# Altium PCB T1_Card.PcbDoc (part 2 of 6) (continued)
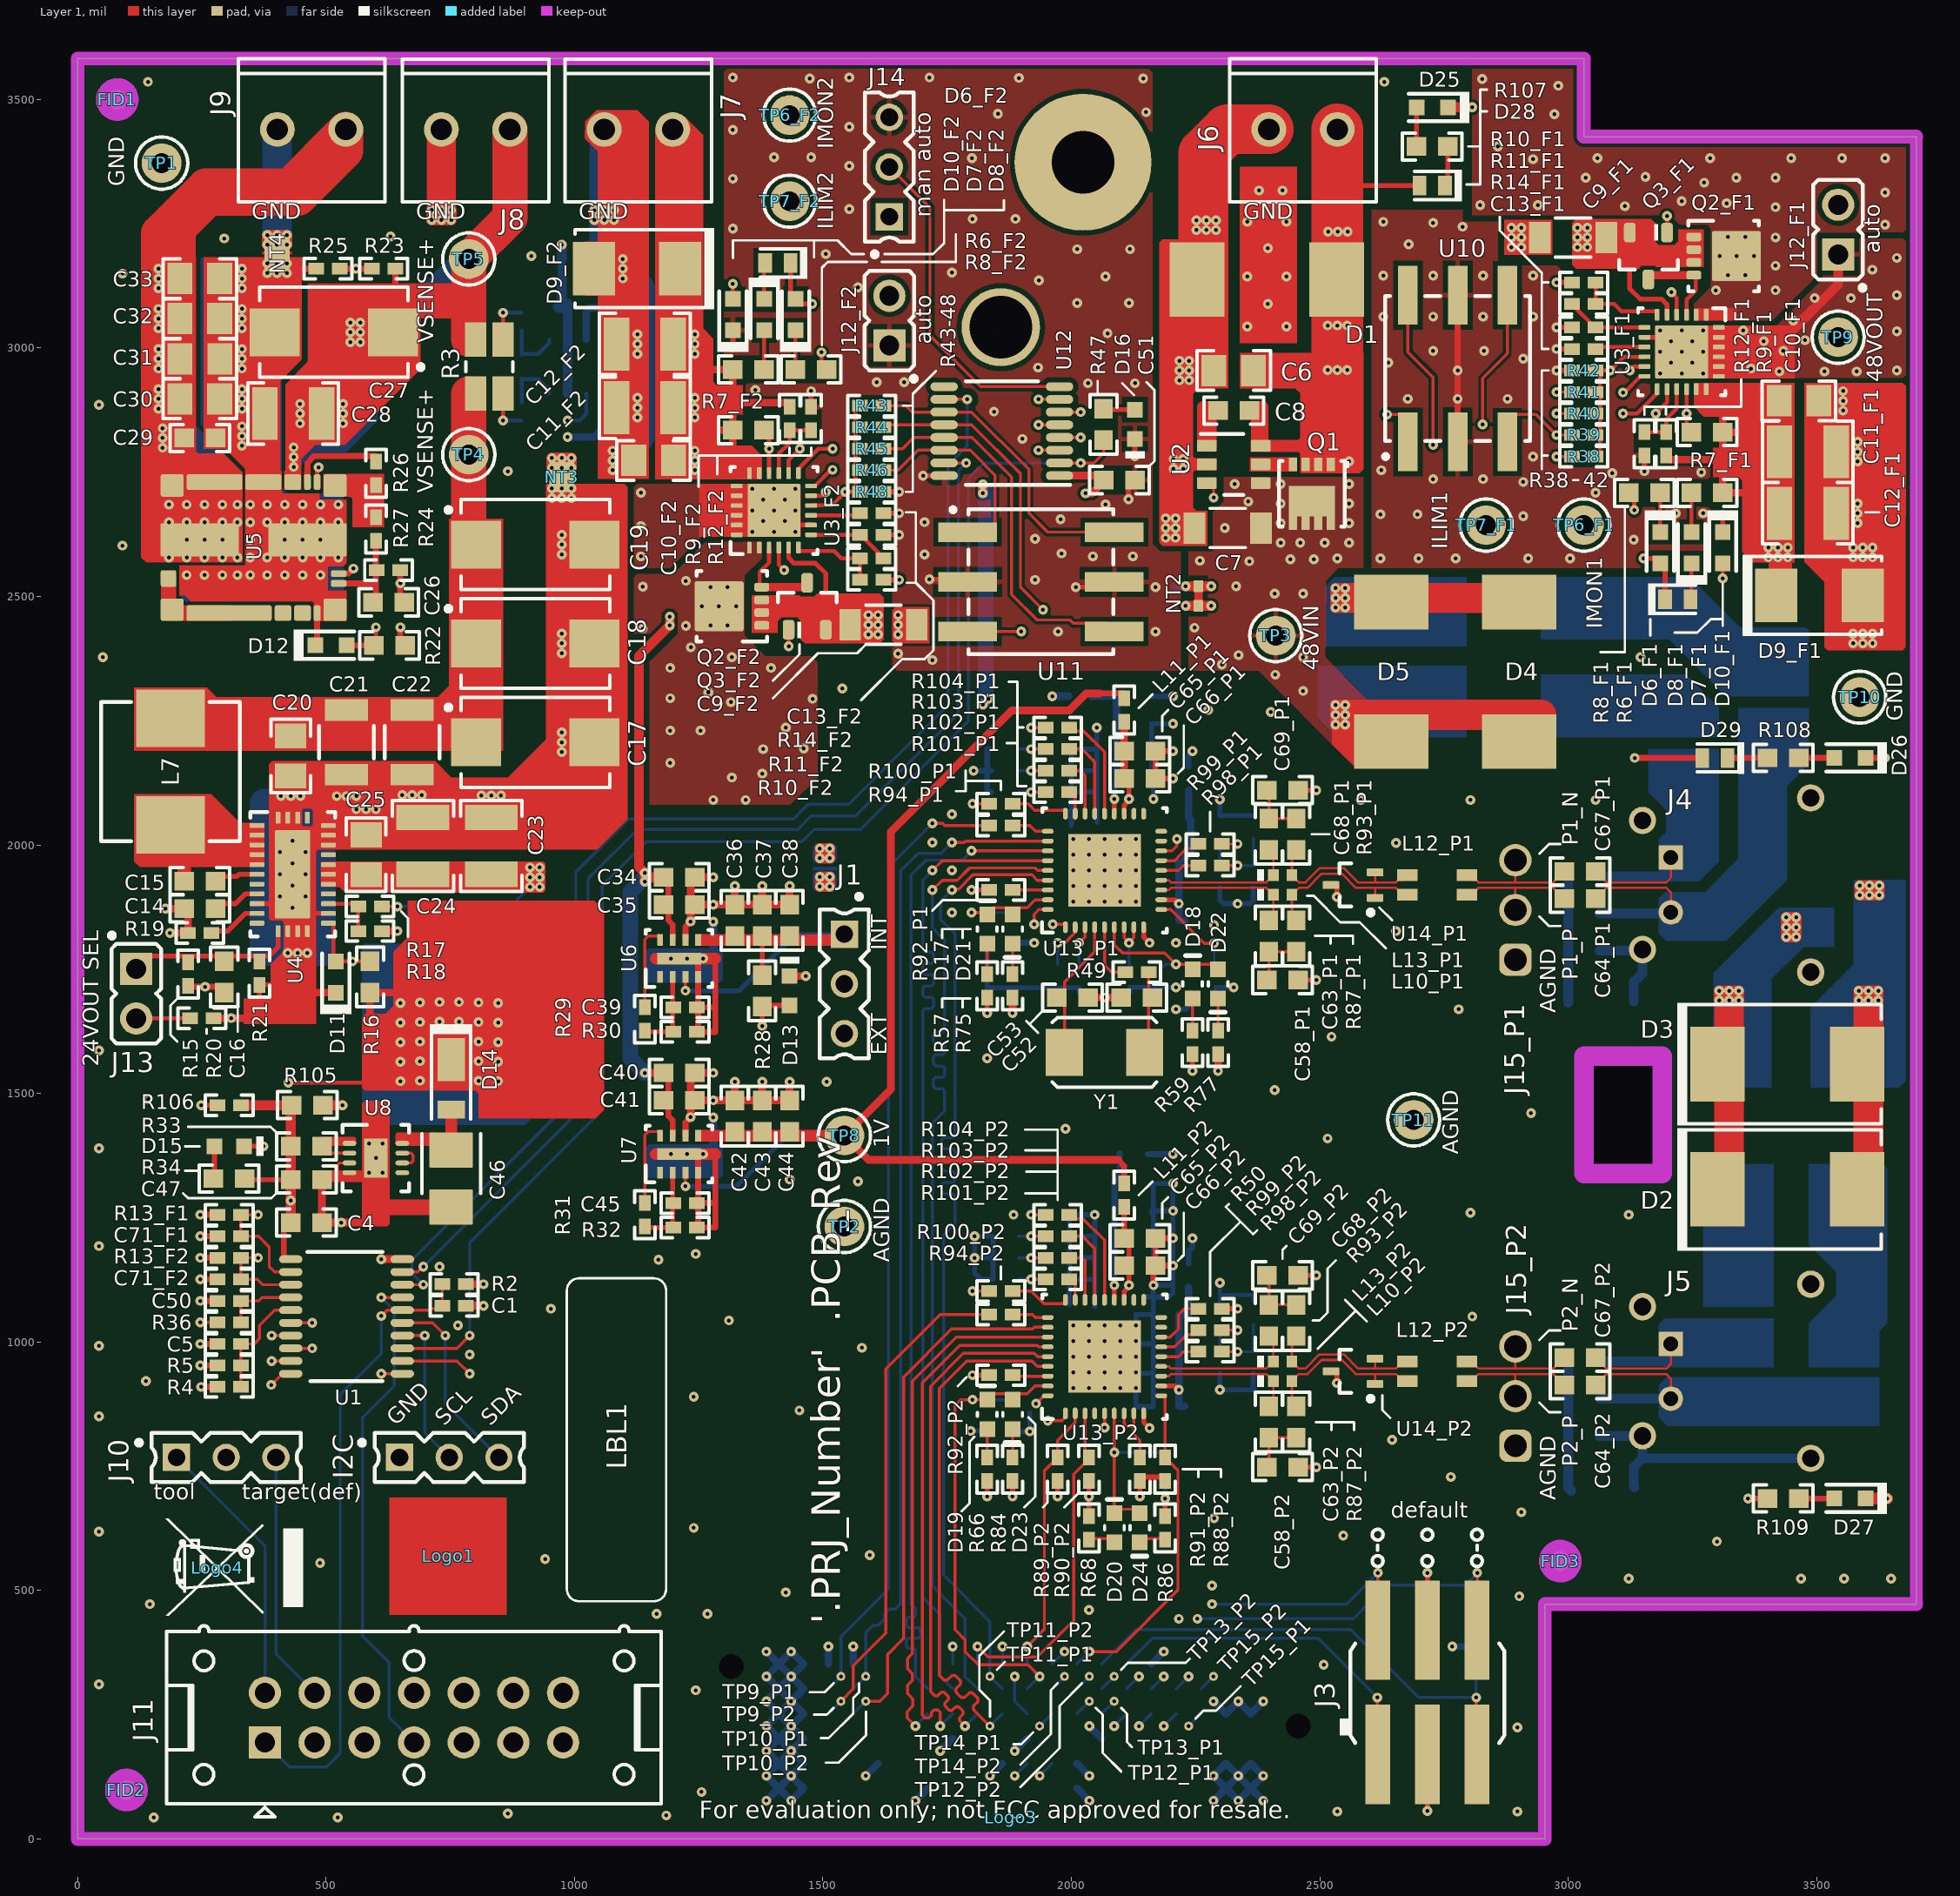
[diagram p0: Layer 1 view]
## Part data (continued)
C57_P1 C57_P2 C62_P1 C62_P2: library part CMP-0007143-4, "CAP, CERM, 0.01 uF, 50 V, +/- 10%, X7R, AEC-Q200 Grade 1, 0603", Cap_Case=0603, Manufacturer=MuRata, Supplier Part Number 1=490-4778-1-ND, TempCo=X7R, Tolerance_%=10%, Value1=Unknown, Value2=50V, ValueDisplayed=0.01uF, AEC Category=Q200, AEC Grade=1, AEC Qualified=Y, Cap_F=10nF, ComponentLink1Description="Datasheet link", ComponentLink1URL=http://psearch.en.murata.com/capacitor/product/GCM188R71H103KA37%23.pdf, CompType=Capacitor, LatestRevisionDate=2017-03-09, MountType=SMT, PackageReference=0603, PartNumber=GCM188R71H103KA37D, Polarized=N, Published=2008-06-19, Publisher="Texas Instruments", RoHS=Y, SizeArea_mm2=1.28, SizeAreaWB_mm2=4.68, SizeX_mm=1.6, SizeY_mm=0.8, SizeZ_mm=1, Supplier 1=Digi-Key, Supplier 2=Newark, Supplier 3=Mouser, Supplier Part Number 2=45Y5166, Supplier Part Number 3=81-GCM188R71H103KA7D, TaMax_C=125°C, TaMin_C=-55°C, Technology=Ceramic, U/M=EA, VDC_V=50V
C58_P1 C58_P2 C69_P1 C69_P2: library part CMP-0007073-4, "CAP, CERM, 47 pF, 50 V, +/- 5%, C0G/NP0, AEC-Q200 Grade 1, 0603", Cap_Case=0603, Manufacturer=TDK, Supplier Part Number 1=445-5636-1-ND, TempCo=C0G/NP0, Tolerance_%=5%, Value1=Unknown, Value2=50V, ValueDisplayed=47pF, AEC Category=Q200, AEC Grade=1, AEC Qualified=Y, Cap_F=47pF, ComponentLink1Description="Datasheet link", ComponentLink1URL=https://product.tdk.com/info/en/catalog/datasheets/mlcc_automotive_general_en.pdf, CompType=Capacitor, LatestRevisionDate=2017-03-09, MountType=SMT, PackageReference=0603, PartNumber=CGA3E2C0G1H470J080AA, Polarized=N, Published=2008-06-19, Publisher="Texas Instruments", RoHS=Y, SizeArea_mm2=1.28, SizeAreaWB_mm2=4.68, SizeX_mm=1.6, SizeY_mm=0.8, SizeZ_mm=1, Supplier 1=Digi-Key, Supplier 2=Newark, Supplier 3=Mouser, Supplier Part Number 2=04X3153, Supplier Part Number 3=810-CGA3E2C0G1H470J, TaMax_C=125°C, TaMin_C=-55°C, Technology=Ceramic, U/M=EA, VDC_V=50V
C63_P1 C63_P2 C68_P1 C68_P2: library part CMP-0007255-1, "CAP, CERM, 22 pF, 100 V, +/- 5%, C0G/NP0, 0603", Cap_Case=0603, Manufacturer=MuRata, Supplier Part Number 1=490-1335-1-ND, TempCo=C0G/NP0, Tolerance_%=5%, Value1=Unknown, Value2=100V, ValueDisplayed=22pF, AEC Category=Q200, AEC Qualified=?, Cap_F=22pF, ComponentLink1Description="Datasheet link", ComponentLink1URL=http://search.murata.co.jp/Ceramy/PnsearchViewAction.do?HnOFG=ON&HnNFG=ON&SEL_CNT=50&sLang=en&sKey=GRM1885C2A220JA01D&x=9&y=9&search=startwith, CompType=Capacitor, LatestRevisionDate=2017-03-09, MountType=SMT, PackageReference=0603, PartNumber=GRM1885C2A220JA01D, Polarized=N, Published=2008-06-19, Publisher="Texas Instruments", RoHS=Y, SizeArea_mm2=1.28, SizeAreaWB_mm2=4.68, SizeX_mm=1.6, SizeY_mm=0.8, SizeZ_mm=1, Supplier 1=Digi-Key, Supplier 2=Mouser, Supplier Part Number 2=81-GRM1885C2A220JA01, TaMax_C=125°C, TaMin_C=-55°C, Technology=Ceramic, U/M=EA, VDC_V=100V
C64_P1 C64_P2 C67_P1 C67_P2: library part CMP-0007470-5, "CAP, CERM, 0.1 uF, 100 V, +/- 10%, X7R, 0603", Cap_Case=0603, Manufacturer=MuRata, Supplier Part Number 1=490-6439-1-ND, TempCo=X7R, Tolerance_%=10%, Value1=Unknown, Value2=100V, ValueDisplayed=0.1uF, AEC Category=Q200, AEC Qualified=?, Cap_F=100nF, ComponentLink1Description="Datasheet link", ComponentLink1URL=http://search.murata.co.jp/Ceramy/image/img/A01X/G101/ENG/GRM188R72A104KA35-01.pdf, CompType=Capacitor, LatestRevisionDate=2017-03-09, MountType=SMT, PackageReference=0603, PartNumber=GRM188R72A104KA35J, Polarized=N, Published=2008-06-19, Publisher="Texas Instruments", RoHS=Y, SizeArea_mm2=1.28, SizeAreaWB_mm2=4.68, SizeX_mm=1.6, SizeY_mm=0.8, SizeZ_mm=1, Supplier 1=Digi-Key, Supplier 2=Mouser, Supplier Part Number 2=81-GRM188R72A104KA5J, TaMax_C=125°C, TaMin_C=-55°C, Technology=Ceramic, U/M=EA, VDC_V=100V
C70_P1 C70_P2: library part CMP-0079247-1, "CAP, CERM, 4700 pF, 100 V,+/- 10%, X7R, AEC-Q200 Grade 1, 0603", Cap_Case=0603, Manufacturer=MuRata, Supplier Part Number 1=490-4930-1-ND, TempCo=X7R, Tolerance_%=10%, Value2=100V, ValueDisplayed=4700pF, AEC Category=Q200, AEC Grade=1, AEC Qualified=Y, Cap_F=4.7nF, ComponentLink1Description="Datasheet link", ComponentLink1URL=http://search.murata.co.jp/Ceramy/image/img/A01X/G101/ENG/GCM188R72A472KA37-01.pdf, CompType=Capacitor, MountType=SMT, PackageReference=0603, PartNumber=GCM188R72A472KA37D, Polarized=N, RoHS=Y, SizeArea_mm2=1.28, SizeAreaWB_mm2=4.68, SizeX_mm=1.6, SizeY_mm=0.8, SizeZ_mm=1, Supplier 1=Digi-Key, Supplier 2=Newark, Supplier 3=Mouser, Supplier Part Number 2=06AC6010, Supplier Part Number 3=81-GCM188R72A472K37D, TaMax_C=125°C, TaMin_C=-55°C, Technology=Ceramic, U/M=EA, VDC_V=100V
D1 D4 D5: library part CMP-0085460-1, "Diode, TVS, Bi, 48 V, 77.4 Vc, 1500 W, 20 A, SMC (No Polarity Mark)", Manufacturer=STMicroelectronics, Value1=77.4V, AEC Category=Q101, AEC Qualified=N, ComponentLink1Description="Datasheet link", ComponentLink1URL=https://www.st.com/resource/en/datasheet/smcj.pdf, CompType=TVS, Ipp=20A, MountType=SMT, PackageReference="SMC (No Polarity Mark)", PartNumber=SMCJ48CA-TR, Ppk=1.5kW, RJA_CperW=90, RoHS=Y, SizeArea_mm2=46.846, SizeAreaWB_mm2=78.526, SizeX_mm=7.94, SizeY_mm=5.9, SizeZ_mm=2.62, Vbr_Min=53.3V, Vc=77.4V, VRWM=48V
D2 D3: library part CMP-0085434-1, "Diode, TVS, Uni, 48 V, 77.4 Vc, 1500 W, 20 A, SMC", Manufacturer=STMicroelectronics, Value1=77.4V, AEC Category=Q101, AEC Qualified=N, ComponentLink1Description="Datasheet link", ComponentLink1URL=https://www.st.com/resource/en/datasheet/smcj.pdf, CompType=TVS, Ipp=20A, MountType=SMT, PackageReference=SMC, PartNumber=SMCJ48A-TR, Ppk=1.5kW, RJA_CperW=90, RoHS=Y, SizeArea_mm2=50.5686, SizeAreaWB_mm2=83.2686, SizeX_mm=8.13, SizeY_mm=6.22, SizeZ_mm=2.62, Vbr_Min=53.3V, Vc=77.4V, VRWM=48V
D6_F1 D6_F2 D28 D29: library part CMP-0029008-2, "Diode, Switching, 100 V, 0.15 A, 0603 Diode", Manufacturer=Bourns, Value1=0.15A, Value2=1V, AEC Category=Q101, AEC Qualified=?, ComponentLink1Description="Datasheet link", ComponentLink1URL=http://www.bourns.com/pdfs/CD0603_1005.pdf, CompType=Diode, Green_EU RoHS=Incomplete, Green_EU RoHS-2=Incomplete, Green_Lifecycle="Not Set", Green_REACh=Incomplete, Io_A=150mA, MountType=SMT, PackageReference="0603 Diode", PartNumber=CD0603-S01575, RoHS=Y, SizeArea_mm2=1.53, SizeAreaWB_mm2=5.13, SizeX_mm=1.7, SizeY_mm=0.9, SizeZ_mm=0.75, TJmax_C=125°C, Type=Switching, Vf_V=1V, Vr_V=100V
D7_F1 D7_F2 D8_F1 D8_F2: library part CMP-0002947-3, "LED, Red, SMD", Color=Red, Manufacturer="Wurth Elektronik", Power_TotalModule=72mW, Value1=0.072W, Value2=2V, Angle=140, ComponentLink1Description="Datasheet link", ComponentLink1URL=http://katalog.we-online.de/led/datasheet/150060RS75000.pdf, CompType=LED, Io_A=30mA, MountType=SMT, PackageReference=LED_0603, PartNumber=150060RS75000, RoHS=Y, TJmax_C=85°C, Type=AlInGaP, Vf_V=2V, Vr_V=5V
D9_F1 D9_F2: library part CMP-0028406-2, "Diode, Schottky, 60 V, 2 A, SMB", Manufacturer="Diodes Inc.", Value1=2A, Value2=0.7V, AEC Category=Q101, AEC Qualified=?, ComponentLink1Description="Datasheet link", ComponentLink1URL=http://www.diodes.com/datasheets/ds13004.pdf, CompType=Diode, Green_EU RoHS="Passed with Exemption", Green_EU RoHS-2=Passed, Green_Lifecycle=Active, Green_REACh=Passed, Io_A=2A, MountType=SMT, PackageReference=SMB, PartNumber=B260-13-F, RJC_CperW=20, RoHS=Y, SizeArea_mm2=21.336, SizeAreaWB_mm2=44.156, SizeX_mm=5.6, SizeY_mm=3.81, SizeZ_mm=2.6, TJmax_C=150°C, Type=Schottky, Vf_V=700mV, Vr_V=60V
D10_F1 D10_F2 D11 D12: library part CMP-0002905-2, "LED, Green, SMD", Color=Green, Manufacturer="Wurth Elektronik", Value1=W, Value2=3.2V, Angle=140, ComponentLink1Description="Datasheet link", ComponentLink1URL=http://katalog.we-online.de/led/datasheet/150060GS75000.pdf, CompType=LED, Io_A=20mA, MountType=SMT, PackageReference=LED_0603, PartNumber=150060GS75000, RoHS=Y, TJmax_C=85°C, Type=InGaN, Vf_V=3.2V
D13 D15 D16: library part CMP-0002840-2, "LED, Green, SMD", Color=green, Manufacturer=Lite-On, Value1=W, Value2=2V, ComponentLink1Description="Datasheet link", ComponentLink1URL=http://optoelectronics.liteon.com/en-us/api/DwonloadFileHandler.ashx?txtSpecNo=DS22-2000-074&txtPartNo=LTST-C190KGKT, CompType=LED, Io_A=30mA, MountType=SMT, PackageReference=1.6x0.8x0.8mm, PartNumber=LTST-C190KGKT, RoHS=Y, TJmax_C=85°C, Type=AlInGaP, Vf_V=2V
D14: library part CMP-0005417-4, "Diode, Zener, 30 V, 1 W, PowerDI123", Manufacturer="Diodes Inc.", Power_W=1W, AEC Category=Q101, AEC Qualified=?, ComponentLink1Description="Datasheet link", ComponentLink1URL=http://www.diodes.com/datasheets/ds30464.pdf, CompType=Zener, MountType=SMT, PackageReference=PowerDI123, PartNumber=DFLZ30-7, RJA_CperW=110, RoHS=Y, SizeArea_mm2=6.586, SizeAreaWB_mm2=13.066, SizeX_mm=3.7, SizeY_mm=1.78, SizeZ_mm=0.98, Value1=1W, Vz_V=30V
D17 D19 D21 D23: library part CMP-0002874-2, "LED, Green, SMD", Color=green, Manufacturer=OSRAM, Value1=W, Value2=1.7V, ComponentLink1Description="Datasheet link", ComponentLink1URL=http://www.osram-os.com/Graphics/XPic2/00077107_0.pdf, CompType=LED, Io_A=2mA, MountType=SMT, PackageReference=1.7x0.65x0.8mm, PartNumber="LG L29K-G2J1-24-Z", RoHS=Y, TJmax_C=110°C, Type=?, Vf_V=1.7V
D18 D20 D22 D24: library part CMP-0002875-2, "LED, Yellow, SMD", Color=yellow, Manufacturer=OSRAM, Value1=W, Value2=1.8V, ComponentLink1Description="Datasheet link", ComponentLink1URL=http://www.osram-os.com/Graphics/XPic1/00077106_0.pdf/LY%20%20%20%20%20%20L29K%20-%20SMARTLED%200603.pdf, CompType=LED, Io_A=2mA, MountType=SMT, PackageReference="LED, 1.3x0.65x0.8mm", PartNumber="LY L29K-J1K2-26-Z", RoHS=Y, TJmax_C=110°C, Type=?, Vf_V=1.8V
D25 D26 D27: library part CMP-0002946-3, "LED, Blue, SMD", Color=Blue, Manufacturer="Wurth Elektronik", Power_TotalModule=105mW, Value1=0.105W, Value2=3.2V, Angle=140, ComponentLink1Description="Datasheet link", ComponentLink1URL=http://katalog.we-online.de/led/datasheet/150060BS75000.pdf, CompType=LED, Io_A=30mA, MountType=SMT, PackageReference=LED_0603, PartNumber=150060BS75000, RoHS=Y, TJmax_C=85°C, Type=InGaN, Vf_V=3.2V, Vr_V=5V
FID1 FID2 FID3: library part CMP-0077181-1, "Fiducial mark.  There is nothing to buy or mount.", Manufacturer=N/A, ClassName=FiducialMark, CompType=Fiducial, MountType=N/A, PackageReference=N/A, PartNumber=N/A
I2C J1 J10 J14: library part CMP-0075048-1, "Header, 2.54mm, 3x1, Gold, TH", Manufacturer="Fischer Elektronik", ClassName=Header, CNHeader=True, ComponentLink1Description="Datasheet URL", ComponentLink1URL=http://www.fischerelektronik.de/web_fischer/public/index.xhtml, CompType=Header, CT=False, LatestRevisionDate=2017-07-12, MountType=TH, PackageReference="TH, 3-Leads, Body 2.5x7.62mm, Pitch 2.54mm", PartNumber="SL 11 112 03G", Publisher="Texas Instruments"
J2: library part CMP-0075646-1, "Header(shrouded), 1.27mm, 20x6, Gold, SMT", Color=Black, Current_A=1.8A, Manufacturer=Samtec, Voltage_V=240V, Cert_UL=Y, CNHeader=False, ComponentLink1Description="Datasheet URL", ComponentLink1URL=http://suddendocs.samtec.com/catalog_english/seam.pdf, CompType=Header, ContactFinish=Gold, CT=False, Gender=Male, LatestRevisionDate=2017-07-12, MountType=SMT, Orientation=Vertical, PackageReference="Header(shrouded), 1.27mm, 20x6, SMT", PartNumber=SEAM-20-03.0-S-06-2-A-K-TR, PinCount=120, Publisher="Texas Instruments", RoHS=Y, Row_Count=6, Shrouded=Y
J3: library part CMP-0054609-2, "Header, 2.54mm, 3x2, Gold, Black, SMT", Color=Black, Current_A=3A, Manufacturer="Sullins Connector Solutions", Supplier Part Number 1=S2351E-03-ND, Voltage_V=600V, Cert_UL=Y, ClassName=Header, ComponentLink1Description="Datasheet URL", ComponentLink1URL=http://www.sullinscorp.com/images/C10059.pdf, CompType=Header, ContactFinish=Gold, Gender=Male, MountType=SMT, Orientation=Vertical, PackageReference="Header, 2.54mm, 3x2, SMT", PartNumber=GBC03DABN-M30, PinCount=6, Pitch_mm=2.54, RoHS=Y, Row_Count=2, RowSpacing_mm=2.54, Shrouded=N, Supplier 1=Digi-Key
J4 J5: library part CMP-0087169-1, "T1 Industrial jack AH IP20", Manufacturer="Harting Electronics", ComponentLink1Description=Datasheet, ComponentLink1URL=https://forum.upverter.com/uploads/default/original/3X/d/e/dea2c31e5810f6c153b28b85ed7e997e71109f89.PDF, PackageReference=HDR2, PartNumber=09452812800, PinCount=2, RoHS=UNKNOWN, Row_Count=1, Shrouded=true, Symbol Name=SYM-09452812800
J6 J7 J8 J9: library part CMP-0055473-1, "Conn Term Block, 2POS, 3.5mm, TH", Manufacturer="Phoenix Contact", Supplier Part Number 1=277-5719-ND, CNHeader=FALSE, ComponentLink1Description="Datasheet URL", ComponentLink1URL=https://sps06.itg.ti.com/sites/KMS/crossdivteams/altium/docs/ComponentDatasheets/PhoenixContact_1751248.pdf, CompType="Terminal Block", CT=TRUE, Green_EU RoHS=Incomplete, Green_EU RoHS-2=Incomplete, Green_Lifecycle="Not Set", Green_REACh=Incomplete, LatestRevisionDate=26/05/2017, MountType=TH, PackageReference=11x8.5x7.3mm, PartNumber=1751248, Publisher="Texas Instruments", RoHS=Y, Supplier 1=Digi-Key, Supplier 2=Mouser, Supplier Part Number 2=651-1751248
J11: library part CMP-0054695-2, "Header (shrouded), 100 mil, 7x2, Gold, TH", Manufacturer="Sullins Connector Solutions", Supplier Part Number 1=S9170-ND, ComponentLink1Description="Datasheet URL", ComponentLink1URL=http://www.sullinscorp.com/catalogs/145_11_SERIES,_.100_BOX_HEADER.pdf, CompType=Header, Green_EU RoHS=Incomplete, Green_EU RoHS-2=Incomplete, Green_Lifecycle="Not Set", Green_REACh=Incomplete, MountType=TH, PackageReference="7x2 Shrouded Header", PartNumber=SBH11-PBPC-D07-ST-BK, RoHS=Y, Supplier 1=Digi-Key
J12_F1 J12_F2 J13: library part CMP-0054566-1, "Header, 100mil, 2x1, Gold, TH", Color=Black, Current_A=3A, Manufacturer="Sullins Connector Solutions", Supplier Part Number 1=S1011E-02-ND, Voltage_V=1.8kV, Cert_UL=Y, ClassName=Header, CNHeader=TRUE, ComponentLink1Description="Datasheet URL", ComponentLink1URL=http://www.sullinscorp.com/catalogs/77_PAGE108-109_.100_MALE_HDR.pdf, CompType=Header, ContactFinish=Gold, CT=FALSE, Gender=Male, Green_EU RoHS=Passed, Green_EU RoHS-2=Passed, Green_Lifecycle=Active, Green_REACh=Passed, LatestRevisionDate=26/05/2017, MountType=TH, Orientation=Vertical, PackageReference="Sullins 100mil, 1x2, 230 mil above insulator", PartNumber=PBC02SAAN, PinCount=2, Pitch_mm=2.54, Publisher="Texas Instruments", RoHS=Y, Row_Count=1, Shrouded=N, Supplier 1=Digi-Key
J15_P1 J15_P2: library part CMP-0054796-2, "Header, 2.54 mm, 3x1, Gold, TH", Color=Black, Manufacturer="Wurth Elektronik", Supplier Part Number 1=732-5316-ND, Cert_UL=Y, ClassName=Header, ComponentLink1Description="Datasheet URL", ComponentLink1URL=http://katalog.we-online.de/em/datasheet/6130xx11121.pdf, CompType=Header, ContactFinish=Gold, Gender=Male, Green_EU RoHS=Passed, Green_EU RoHS-2=Incomplete, Green_Lifecycle=Active, Green_REACh=Passed, MountType=TH, Orientation=Vertical, PackageReference="Header, 2.54mm, 3x1, TH", PartNumber=61300311121, PinCount=3, Pitch_mm=2.54, RoHS=Y, Row_Count=1, Shrouded=N, Supplier 1=Digi-Key, Supplier 2=Newark, Supplier 3=Farnell, Supplier Part Number 2=20X0950, Supplier Part Number 3=356154
L1 L2 L5 L6: library part CMP-0064155-1, "Inductor, 330 nH, 5.5 A, 0.014 ohm, SMD", Manufacturer="Wurth Elektronik", Supplier Part Number 1=732-5690-1-ND, Value1="0.014 ohm", Value2=5.5A, ValueDisplayed=330nH, AEC Category=Q200, AEC Qualified=?, ComponentLink1Description="Datasheet link", ComponentLink1URL=http://katalog.we-online.de/pbs/datasheet/744383360033.pdf, CompType=Inductor, DCR_Ohm=0.014, Green_EU RoHS=Passed, Green_EU RoHS-2=Incomplete, Green_Lifecycle=Active, Green_REACh=Passed, Imax_A=5.5A, Ind_H=330nH, Irms="5.5A @ 40C rise", Isat="8.3A @ 20% inductance drop", LatestRevisionDate=2017-06-02, Material=?, MountType=SMT, PackageReference="SMD, 2-Leads, Body 3.2x3.2mm", PartNumber=744383360033, Published=2008-06-26, Publisher="Texas Instruments", RoHS=Y, SizeArea_mm2=9, SizeAreaWB_mm2=16, SizeX_mm=3, SizeY_mm=3, SizeZ_mm=2, Supplier 1=Digi-Key, Supplier 2=Mouser, Supplier Part Number 2=710-744383360033
L3 L4: library part CMP-0086566-1, "Shielded 2 Coil Inductor Array  Inductance - Connected in Series 6.8µH Inductance - Connected in Parallel 44mOhm DC Resistance (DCR) - Parallel 5A Nonstandard", Manufacturer="Wurth Electronics", AEC Qualified=No, ComponentLink1Description=Datasheet, ComponentLink1URL=https://katalog.we-online.de/pbs/datasheet/7448991068.pdf, DCR_Ohm=0.044, Ind_H=6.8µH, PackageReference=SMT_10MM0_10MM0, PartNumber=7448991068, RoHS=TRUE, SizeZ_mm=4.1mm, Symbol Name=SYM-7448991068
L7: library part CMP-0064098-1, "Inductor, Shielded Drum Core, Powdered Iron, 10 uH, 3 A, 0.075 ohm, SMD", Manufacturer="Wurth Elektronik", Supplier Part Number 1=732-3379-1-ND, Value1="0.075 ohm", Value2=3A, ValueDisplayed=10uH, AEC Category=Q200, AEC Grade=N/A, AEC Qualified=N, ComponentLink1Description="Datasheet link", ComponentLink1URL=http://katalog.we-online.de/kataloge/eisos/media/pdf/74437346100.pdf, CompType=Inductor, DCR_Ohm=0.075, Green_EU RoHS=Passed, Green_EU RoHS-2=Incomplete, Green_Lifecycle=Active, Green_REACh=Passed, Imax_A=3A, Ind_H=10µH, Irms="3A @ 40C rise", Isat="7.3A @ 20% inductance drop", LatestRevisionDate=2017-06-02, Material="Powdered Iron", MountType=SMT, PackageReference=7.30x2.80x6.60mm, PartNumber=74437346100, Published=2008-06-26, Publisher="Texas Instruments", RoHS=Y, SizeArea_mm2=43.56, SizeAreaWB_mm2=73.96, SizeX_mm=6.6, SizeY_mm=6.6, SizeZ_mm=3, Supplier 1=Digi-Key, Technology="Shielded Drum Core"
L8_P1 L8_P2 L9_P1 L9_P2 L11_P1 L11_P2: library part CMP-0003245-1, "Ferrite Bead, 1000 ohm @ 100 MHz, 0.2 A, 0402", Manufacturer="Wurth Elektronik", Supplier Part Number 1=732-2132-1-ND, Value1="1.5 ohm", Value2=0.2A, ValueDisplayed="1000 ohm", ComponentLink1Description="Datasheet link", ComponentLink1URL=http://katalog.we-online.de/pbs/datasheet/742792796.pdf, CompType="Ferrite Bead", DCR_Ohm=1.5, Imax_A=200mA, LatestRevisionDate=2017-03-09, MountType=SMT, PackageReference=0402, PartNumber=742792796, Published=2014-04-30, Publisher="Texas Instruments", RoHS=Y, SizeArea_mm2=0.5, SizeAreaWB_mm2=3, SizeX_mm=1, SizeY_mm=0.5, SizeZ_mm=0.6, Supplier 1=Digi-Key, Supplier 2=Mouser, Supplier Part Number 2=710-742792796, Ztyp@1GHz_Ohm=293.136, ZTyp@100MHz_Ohm=1k
L10_P1 L10_P2 L13_P1 L13_P2: library part CMP-0058648-1, "Inductor, Multilayer, Air Core, 120 nH, 0.15 A, 1.3 ohm, SMD", Manufacturer=MuRata, Supplier Part Number 1=490-2636-1-ND, Value1="1.3 ohm", Value2=0.15A, ValueDisplayed=120nH, AEC Category=Q200, AEC Qualified=?, ComponentLink1Description="Datasheet link", ComponentLink1URL=http://search.murata.co.jp/Ceramy/image/img/PDF/ENG/L0075S0083LQG15HS.pdf, CompType=Inductor, DCR_Ohm=1.3, Green_EU RoHS=Passed, Green_EU RoHS-2=Incomplete, Green_Lifecycle=Active, Green_REACh=Passed, Imax_A=150mA, Ind_H=120nH, Irms="0.15A @ C rise", Isat="0.15A @ % inductance drop", LatestRevisionDate=2017-06-02, Material="Air Core", MountType=SMT, PackageReference="0402 polarized", PartNumber=LQG15HSR12J02D, Published=2008-06-26, Publisher="Texas Instruments", RoHS=Y, SizeArea_mm2=0.5, SizeAreaWB_mm2=3, SizeX_mm=1, SizeY_mm=0.5, SizeZ_mm=0.55, Supplier 1=Digi-Key, Supplier 2=Mouser, Supplier Part Number 2=81-LQG15HSR12J02D, Technology=Multilayer
L12_P1 L12_P2: library part CMP-0087001-1, "200µH @ 100kHz 2 Line Common Mode Choke Surface Mount 70mA DCR 4.8 Ohm", Manufacturer=Murata, AEC Grade="Grade 1", AEC Qualified=Yes, ComponentLink1Description=Datasheet, ComponentLink1URL=https://www.murata.com/en-sg/products/productdata/8801029685278/QFLC9124.pdf?1544104811000, PackageReference=1210, PartNumber=DLW32MH201XK2, RoHS=TRUE, SizeZ_mm=2.5mm, Symbol Name=SYM-DLW32MH201XK2
LBL1: library part CMP-0003625-1, "Thermal Transfer Printable Labels, 0.650\" W x 0.200\" H - 10,000 per roll", Manufacturer=Brady, Supplier Part Number 1=97C5133, ClassName=Label, ComponentLink1Description="Web Page", ComponentLink1URL=http://www.bradyid.com/bradyid/pdpv/THT-14-423-10.html, CompType=Label, Key=THT-14-423-10, LatestRevisionDate=2017-03-09, MountType=N/A, Note="Size: 0.65\" x 0.20 \"", PackageReference="PCB Label 0.650 x 0.200 inch", PartNumber=THT-14-423-10, Publisher="Texas Instruments", RoHS=Y, Supplier 1=Newark, Supplier 2=Farnell, Supplier Part Number 2=2065596
Logo3: library part CMP-0074847-1, "FCC_disclaimer", LatestRevisionDate=2017-07-06, Lib Reference=FCC_disclaimer, PartNumber="FCC disclaimer", Published=2009-03-03, Publisher="Texas Instruments"
Logo4: library part CMP-0074769-1, Lib Reference="WEEE logo", PartNumber="WEEE logo"
NT2 NT3 NT4 NT6 NT7a NT7b NT9: library part CMP-0078142-2, "Single point connection between nets.", Manufacturer=N/A, CompType=Net-Tie, MountType=SMT, PackageReference=N/A, PartNumber=N/A
Q1: library part CMP-0067553-1, "MOSFET, N-CH, 60 V, 15 A, AEC-Q101, 8-PowerVDFN", Alternate Manufacturer=None, Manufacturer="Diodes Inc.", Supplier Part Number 1=DMT6007LFG-13-ND, Value1="0.0085 ohm", Value2="41.3 nC", AEC Category=Q101, AEC Qualified=Y, ChType=N, ComponentLink1Description="Datasheet link", ComponentLink1URL=https://www.diodes.com/assets/Datasheets/DMT6007LFG.pdf, CompType=MOSFET, IdsMax_A=15A, LatestRevisionDate=2017-06-05, LatestRevisionNote="Added parts.", MountType=SMT, PackageReference=8-PowerVDFN, PartNumber=DMT6007LFG-13, Published=2008-06-19, Publisher="Texas Instruments", QgTyp_nC=41.3, Rdson45_ohm=8.5m, RoHS=Y, SizeArea_mm2=10.89, SizeAreaWB_mm2=18.49, SizeX_mm=3.3, SizeY_mm=3.3, SizeZ_mm=0.8, Supplier 1=Digi-Key, Supplier 2=Mouser, Supplier Part Number 2=621-DMT6007LFG-13, U/M=EA, VdsMax_V=60V, Vgs_V=20V
Q2_F1 Q2_F2: library part CMP-0000967-2, "MOSFET, N-CH, 100 V, 50 A, DQG0008A (VSON-CLIP-8)", Alternate Manufacturer=None, Manufacturer="Texas Instruments", Supplier Part Number 1=CSD19537Q3-ND, Value2="16 nC", AEC Category=Q101, AEC Qualified=N, ChType=N, ComponentLink1Description="Datasheet link", ComponentLink1URL=http://www.ti.com/lit/ds/symlink/csd19537q3.pdf, CompType=MOSFET, IdsMax_A=50A, LatestRevisionDate=2017-03-09, LatestRevisionNote="Added parts.", MountType=SMT, PackageReference=DQG0008A, PartNumber=CSD19537Q3, Published=2008-06-19, Publisher="Texas Instruments", QgTyp_nC=16, RoHS=Y, SizeArea_mm2=10.89, SizeAreaWB_mm2=18.49, SizeX_mm=3.3, SizeY_mm=3.3, SizeZ_mm=1.1, Supplier 1=Digi-Key, Supplier 2=Mouser, Supplier Part Number 2=595-CSD19537Q3, U/M=EA, VdsMax_V=100V, Vgs_V=20V
Q3_F1 Q3_F2: library part CMP-0000755-1, "MOSFET, N-CH, 50 V, 0.22 A, SOT-23", Alternate Manufacturer=None, Manufacturer="Fairchild Semiconductor", Supplier Part Number 1=BSS138CT-ND, Value2="1.7 nC", AEC Category=Q101, AEC Qualified=?, ChType=N, ComponentLink1Description="Datasheet link", ComponentLink1URL=http://www.fairchildsemi.com/ds/BS/BSS138.pdf, CompType=MOSFET, IdsMax_A=220mA, LatestRevisionDate=2017-03-09, LatestRevisionNote="Added parts.", MountType=SMT, PackageReference=SOT-23, PartNumber=BSS138, Published=2008-06-19, Publisher="Texas Instruments", QgTyp_nC=1.7, Rdson45_ohm=6, RoHS=Y, SizeArea_mm2=7.5, SizeAreaWB_mm2=14, SizeX_mm=2.5, SizeY_mm=3, SizeZ_mm=1.1, Supplier 1=Digi-Key, Supplier 2=Newark, Supplier 3=Mouser, Supplier Part Number 2=58K8769, Supplier Part Number 3=512-BSS138, U/M=EA, VdsMax_V=50V, Vgs_V=20V
R1 R50 R51 R52 R53 R54 R55 R56 R58 R60 R61 R62 R63 R64 R65 R67 R69 R70 R71 R72 R73 R74 R76 R78 R79 R80 R81 R82 R83 R85 R88_P1 R88_P2 R89_P1 R89_P2 R90_P1 R90_P2 R91_P1 R91_P2: library part CMP-0026237-2, "RES, 2.49 k, 1%, 0.063 W, AEC-Q200 Grade 0, 0402", Manufacturer=Vishay-Dale, Power_W=63mW, Supplier Part Number 1=541-2.49KLCT-ND, TempCo="100 ppm/C", Tolerance_%=1%, Value2=0.063W, Value_Code=2k49, ValueDisplayed=2.49k, AEC Category=Q200, AEC Grade=0, AEC Qualified=Y, ComponentLink1Description="Datasheet link", ComponentLink1URL=http://www.vishay.com/docs/20035/dcrcwe3.pdf, CompType=Resistor, EIA_Code=E96, MountType=SMT, PackageReference=0402, PartNumber=CRCW04022K49FKED, Res_ohm=2.49k, RoHS=E, SizeArea_mm2=0.5, SizeX_mm=1, SizeY_mm=0.5, SizeZ_mm=0.6, Supplier 1=Digi-Key, Supplier 2=Newark, Supplier 3=Mouser, Supplier Part Number 2=52K6803, Supplier Part Number 3=71-CRCW0402-2.49K-E3, Technology="Thick Film", Value1=1%, VDC_V=50V
R2: library part CMP-0026403-2, "RES, 49.9 k, 1%, 0.063 W, AEC-Q200 Grade 0, 0402", Manufacturer=Vishay-Dale, Power_W=63mW, Supplier Part Number 1=541-49.9KLCT-ND, TempCo="100 ppm/C", Tolerance_%=1%, Value2=0.063W, Value_Code=49k9, ValueDisplayed=49.9k, AEC Category=Q200, AEC Grade=0, AEC Qualified=Y, ComponentLink1Description="Datasheet link", ComponentLink1URL=http://www.vishay.com/docs/20035/dcrcwe3.pdf, CompType=Resistor, EIA_Code=E96, MountType=SMT, PackageReference=0402, PartNumber=CRCW040249K9FKED, Res_ohm=49.9k, RoHS=E, SizeArea_mm2=0.5, SizeX_mm=1, SizeY_mm=0.5, SizeZ_mm=0.6, Supplier 1=Digi-Key, Supplier 2=Newark, Supplier 3=Mouser, Supplier Part Number 2=52K7113, Supplier Part Number 3=71-CRCW0402-49.9K-E3, Technology="Thick Film", Value1=1%, VDC_V=50V
R3: library part CMP-0015142-2, "RES, 0.02, 1%, 0.5 W, 1206 sense", Manufacturer=Ohmite, Power_W=500mW, Supplier Part Number 1=LVK12R020FERCT-ND, TempCo="50 ppm/C", Tolerance_%=1%, Value2=0.5W, Value_Code=R020, ValueDisplayed=0.02, AEC Category=Q200, AEC Qualified=?, ComponentLink1Description="Datasheet link", ComponentLink1URL=http://www.ohmite.com/catalog/pdf/lvk.pdf, CompType=Resistor, EIA_Code=E96, LatestRevisionDate=2017-03-09, MountType=SMT, PackageReference="1206 sense", PartNumber=LVK12R020FER, Published=2008-06-26, Publisher="Texas Instruments", Res_ohm=0.02, RoHS=Y, Supplier 1=Digi-Key, Supplier 2=Mouser, Supplier 3=Farnell, Supplier Part Number 2=588-LVK12R020FER, Supplier Part Number 3=1462286, Technology="Thick Film", U/M=EA, Value1=1%
R4: library part CMP-0026451-2, "RES, 562 k, 1%, 0.063 W, AEC-Q200 Grade 0, 0402", Manufacturer=Vishay-Dale, Power_W=63mW, Supplier Part Number 1=541-562KLCT-ND, TempCo="100 ppm/C", Tolerance_%=1%, Value2=0.063W, Value_Code=562k, AEC Category=Q200, AEC Grade=0, AEC Qualified=Y, ComponentLink1Description="Datasheet link", ComponentLink1URL=http://www.vishay.com/docs/20035/dcrcwe3.pdf, CompType=Resistor, EIA_Code=E96, MountType=SMT, PackageReference=0402, PartNumber=CRCW0402562KFKED, Res_ohm=562k, RoHS=E, SizeArea_mm2=0.5, SizeX_mm=1, SizeY_mm=0.5, SizeZ_mm=0.6, Supplier 1=Digi-Key, Supplier 2=Newark, Supplier 3=Mouser, Supplier Part Number 2=52K7162, Supplier Part Number 3=71-CRCW0402-562K-E3, Technology="Thick Film", Value1=1%, ValueDisplayed=562k, VDC_V=50V
R5: library part CMP-0026196-2, "RES, 24.9 k, 1%, 0.063 W, AEC-Q200 Grade 0, 0402", Manufacturer=Vishay-Dale, Power_W=63mW, Supplier Part Number 1=541-24.9KLCT-ND, TempCo="100 ppm/C", Tolerance_%=1%, Value2=0.063W, Value_Code=24k9, ValueDisplayed=24.9k, AEC Category=Q200, AEC Grade=0, AEC Qualified=Y, ComponentLink1Description="Datasheet link", ComponentLink1URL=http://www.vishay.com/docs/20035/dcrcwe3.pdf, CompType=Resistor, EIA_Code=E96, MountType=SMT, PackageReference=0402, PartNumber=CRCW040224K9FKED, Res_ohm=24.9k, RoHS=E, SizeArea_mm2=0.5, SizeX_mm=1, SizeY_mm=0.5, SizeZ_mm=0.6, Supplier 1=Digi-Key, Supplier 2=Newark, Supplier 3=Mouser, Supplier Part Number 2=52K6876, Supplier Part Number 3=71-CRCW0402-24.9K-E3, Technology="Thick Film", Value1=1%, VDC_V=50V
R6_F1 R6_F2 R7_F1 R7_F2 R8_F1 R8_F2 R16 R107 R108 R109: library part CMP-0022447-1, "RES, 49.9 k, 1%, 0.1 W, 0603", Manufacturer=Vishay-Dale, Power_W=100mW, Supplier Part Number 1=541-49.9KHCT-ND, TempCo="100 ppm/C", Tolerance_%=1%, Value2=0.1W, Value_Code=49k9, ValueDisplayed=49.9k, AEC Category=Q200, AEC Qualified=?, ComponentLink1Description="Datasheet link", ComponentLink1URL=http://www.vishay.com/docs/20035/dcrcwe3.pdf, CompType=Resistor, EIA_Code=E96, LatestRevisionDate=2017-03-09, MountType=SMT, PackageReference=0603, PartNumber=CRCW060349K9FKEA, Published=2008-06-26, Publisher="Texas Instruments", Res_ohm=49.9k, RoHS=Y, SizeArea_mm2=1.28, SizeX_mm=1.6, SizeY_mm=0.8, SizeZ_mm=1, Supplier 1=Digi-Key, Supplier 2=Mouser, Supplier 3=Farnell, Supplier Part Number 2=71-CRCW0603-49.9K-E3, Supplier Part Number 3=1652882, Technology="Thick Film", U/M=EA, Value1=1%, VDC_V=75V
R9_F1 R9_F2: library part CMP-0026533-2, "RES, 715 k, 1%, 0.063 W, AEC-Q200 Grade 0, 0402", Manufacturer=Vishay-Dale, Power_W=63mW, Supplier Part Number 1=541-715KLCT-ND, TempCo="100 ppm/C", Tolerance_%=1%, Value2=0.063W, Value_Code=715k, AEC Category=Q200, AEC Grade=0, AEC Qualified=Y, ComponentLink1Description="Datasheet link", ComponentLink1URL=http://www.vishay.com/docs/20035/dcrcwe3.pdf, CompType=Resistor, EIA_Code=E96, MountType=SMT, PackageReference=0402, PartNumber=CRCW0402715KFKED, Res_ohm=715k, RoHS=E, SizeArea_mm2=0.5, SizeX_mm=1, SizeY_mm=0.5, SizeZ_mm=0.6, Supplier 1=Digi-Key, Supplier 2=Mouser, Supplier 3=Farnell, Supplier Part Number 2=71-CRCW0402-715K-E3, Supplier Part Number 3=1151471, Technology="Thick Film", Value1=1%, ValueDisplayed=715k, VDC_V=50V
R10_F1 R10_F2: library part CMP-0026615-3, "RES, 976 k, 1%, 0.063 W, AEC-Q200 Grade 0, 0402", Manufacturer=Vishay-Dale, Power_W=63mW, Supplier Part Number 1=541-976KLCT-ND, TempCo="100 ppm/C", Tolerance_%=1%, Value2=0.063W, Value_Code=976k, AEC Category=Q200, AEC Grade=0, AEC Qualified=Y, ComponentLink1Description="Datasheet link", ComponentLink1URL=http://www.vishay.com/docs/20035/dcrcwe3.pdf, CompType=Resistor, EIA_Code=E96, MountType=SMT, PackageReference=0402, PartNumber=CRCW0402976KFKED, Res_ohm=976k, RoHS=E, SizeArea_mm2=0.5, SizeX_mm=1, SizeY_mm=0.5, SizeZ_mm=0.6, Supplier 1=Digi-Key, Supplier 2=Newark, Supplier 3=Mouser, Supplier Part Number 2=52K7358, Supplier Part Number 3=71-CRCW0402-976K-E3, Technology="Thick Film", Value1=1%, ValueDisplayed=976k, VDC_V=50V
R11_F1 R11_F2 R18 R27: library part CMP-0025958-3, "RES, 10.0 k, 1%, 0.063 W, AEC-Q200 Grade 0, 0402", Manufacturer=Vishay-Dale, Power_W=63mW, Supplier Part Number 1=541-10.0KLCT-ND, TempCo="100 ppm/C", Tolerance_%=1%, Value2=0.063W, Value_Code=10k0, ValueDisplayed=10.0k, AEC Category=Q200, AEC Grade=0, AEC Qualified=Y, ComponentLink1Description="Datasheet link", ComponentLink1URL=http://www.vishay.com/docs/20035/dcrcwe3.pdf, CompType=Resistor, EIA_Code=E96, MountType=SMT, PackageReference=0402, PartNumber=CRCW040210K0FKED, Res_ohm=10k, RoHS=E, SizeArea_mm2=0.5, SizeX_mm=1, SizeY_mm=0.5, SizeZ_mm=0.6, Supplier 1=Digi-Key, Supplier 2=Newark, Supplier 3=Mouser, Supplier Part Number 2=52K6595, Supplier Part Number 3=71-CRCW0402-10K-E3, Technology="Thick Film", Value1=1%, VDC_V=50V
R12_F1 R12_F2 R14_F1 R14_F2: library part CMP-0026195-2, "RES, 24.3 k, 1%, 0.063 W, AEC-Q200 Grade 0, 0402", Manufacturer=Vishay-Dale, Power_W=63mW, Supplier Part Number 1=541-24.3KLCT-ND, TempCo="100 ppm/C", Tolerance_%=1%, Value2=0.063W, Value_Code=24k3, ValueDisplayed=24.3k, AEC Category=Q200, AEC Grade=0, AEC Qualified=Y, ComponentLink1Description="Datasheet link", ComponentLink1URL=http://www.vishay.com/docs/20035/dcrcwe3.pdf, CompType=Resistor, EIA_Code=E96, MountType=SMT, PackageReference=0402, PartNumber=CRCW040224K3FKED, Res_ohm=24.3k, RoHS=E, SizeArea_mm2=0.5, SizeX_mm=1, SizeY_mm=0.5, SizeZ_mm=0.6, Supplier 1=Digi-Key, Supplier 2=Newark, Supplier 3=Mouser, Supplier Part Number 2=52K6874, Supplier Part Number 3=71-CRCW0402-24.3K-E3, Technology="Thick Film", Value1=1%, VDC_V=50V
R13_F1 R13_F2: library part CMP-0026051-3, "RES, 17.8 k, 1%, 0.063 W, AEC-Q200 Grade 0, 0402", Manufacturer=Vishay-Dale, Power_W=63mW, Supplier Part Number 1=541-17.8KLCT-ND, TempCo="100 ppm/C", Tolerance_%=1%, Value2=0.063W, Value_Code=17k8, ValueDisplayed=17.8k, AEC Category=Q200, AEC Grade=0, AEC Qualified=Y, ComponentLink1Description="Datasheet link", ComponentLink1URL=http://www.vishay.com/docs/20035/dcrcwe3.pdf, CompType=Resistor, EIA_Code=E96, MountType=SMT, PackageReference=0402, PartNumber=CRCW040217K8FKED, Res_ohm=17.8k, RoHS=E, SizeArea_mm2=0.5, SizeX_mm=1, SizeY_mm=0.5, SizeZ_mm=0.6, Supplier 1=Digi-Key, Supplier 2=Newark, Supplier 3=Mouser, Supplier Part Number 2=52K6746, Supplier Part Number 3=71-CRCW0402-17.8K-E3, Technology="Thick Film", Value1=1%, VDC_V=50V
R15 R23: library part CMP-0025950-3, "RES, 100 k, 1%, 0.063 W, AEC-Q200 Grade 0, 0402", Manufacturer=Vishay-Dale, Power_W=63mW, Supplier Part Number 1=541-100KLCT-ND, TempCo="100 ppm/C", Tolerance_%=1%, Value2=0.063W, Value_Code=100k, AEC Category=Q200, AEC Grade=0, AEC Qualified=Y, ComponentLink1Description="Datasheet link", ComponentLink1URL=http://www.vishay.com/docs/20035/dcrcwe3.pdf, CompType=Resistor, EIA_Code=E96, MountType=SMT, PackageReference=0402, PartNumber=CRCW0402100KFKED, Res_ohm=100k, RoHS=E, SizeArea_mm2=0.5, SizeX_mm=1, SizeY_mm=0.5, SizeZ_mm=0.6, Supplier 1=Digi-Key, Supplier 2=Newark, Supplier 3=Mouser, Supplier Part Number 2=52K6607, Supplier Part Number 3=71-CRCW0402-100K-E3, Technology="Thick Film", Value1=1%, ValueDisplayed=100k, VDC_V=50V
R17: library part CMP-0026191-2, "RES, 243 k, 1%, 0.063 W, AEC-Q200 Grade 0, 0402", Manufacturer=Vishay-Dale, Power_W=63mW, Supplier Part Number 1=541-243KLCT-ND, TempCo="100 ppm/C", Tolerance_%=1%, Value2=0.063W, Value_Code=243k, AEC Category=Q200, AEC Grade=0, AEC Qualified=Y, ComponentLink1Description="Datasheet link", ComponentLink1URL=http://www.vishay.com/docs/20035/dcrcwe3.pdf, CompType=Resistor, EIA_Code=E96, MountType=SMT, PackageReference=0402, PartNumber=CRCW0402243KFKED, Res_ohm=243k, RoHS=E, SizeArea_mm2=0.5, SizeX_mm=1, SizeY_mm=0.5, SizeZ_mm=0.6, Supplier 1=Digi-Key, Supplier 2=Newark, Supplier 3=Mouser, Supplier Part Number 2=52K6881, Supplier Part Number 3=71-CRCW0402-243K-E3, Technology="Thick Film", Value1=1%, ValueDisplayed=243k, VDC_V=50V
R19 R41 R42: library part CMP-0026486-2, "RES, 60.4 k, 1%, 0.063 W, AEC-Q200 Grade 0, 0402", Manufacturer=Vishay-Dale, Power_W=63mW, Supplier Part Number 1=541-60.4KLCT-ND, TempCo="100 ppm/C", Tolerance_%=1%, Value2=0.063W, Value_Code=60k4, ValueDisplayed=60.4k, AEC Category=Q200, AEC Grade=0, AEC Qualified=Y, ComponentLink1Description="Datasheet link", ComponentLink1URL=http://www.vishay.com/docs/20035/dcrcwe3.pdf, CompType=Resistor, EIA_Code=E96, MountType=SMT, PackageReference=0402, PartNumber=CRCW040260K4FKED, Res_ohm=60.4k, RoHS=E, SizeArea_mm2=0.5, SizeX_mm=1, SizeY_mm=0.5, SizeZ_mm=0.6, Supplier 1=Digi-Key, Supplier 2=Newark, Supplier 3=Mouser, Supplier Part Number 2=52K7190, Supplier Part Number 3=71-CRCW0402-60.4K-E3, Technology="Thick Film", Value1=1%, VDC_V=50V